# Altium PCB PCB_TEST.PcbDoc (part 5 of 6)
Units mil, origin at the board's own origin, x right, y up, seen from the top; angles counter-clockwise.
Board outline 6000 x 4000 mil, 2 copper layers (Top Layer, Bottom Layer); 1506 components, 800 nets, 4143 pads, 6 vias.
Unrouted connection lines stored in the file: 2993.
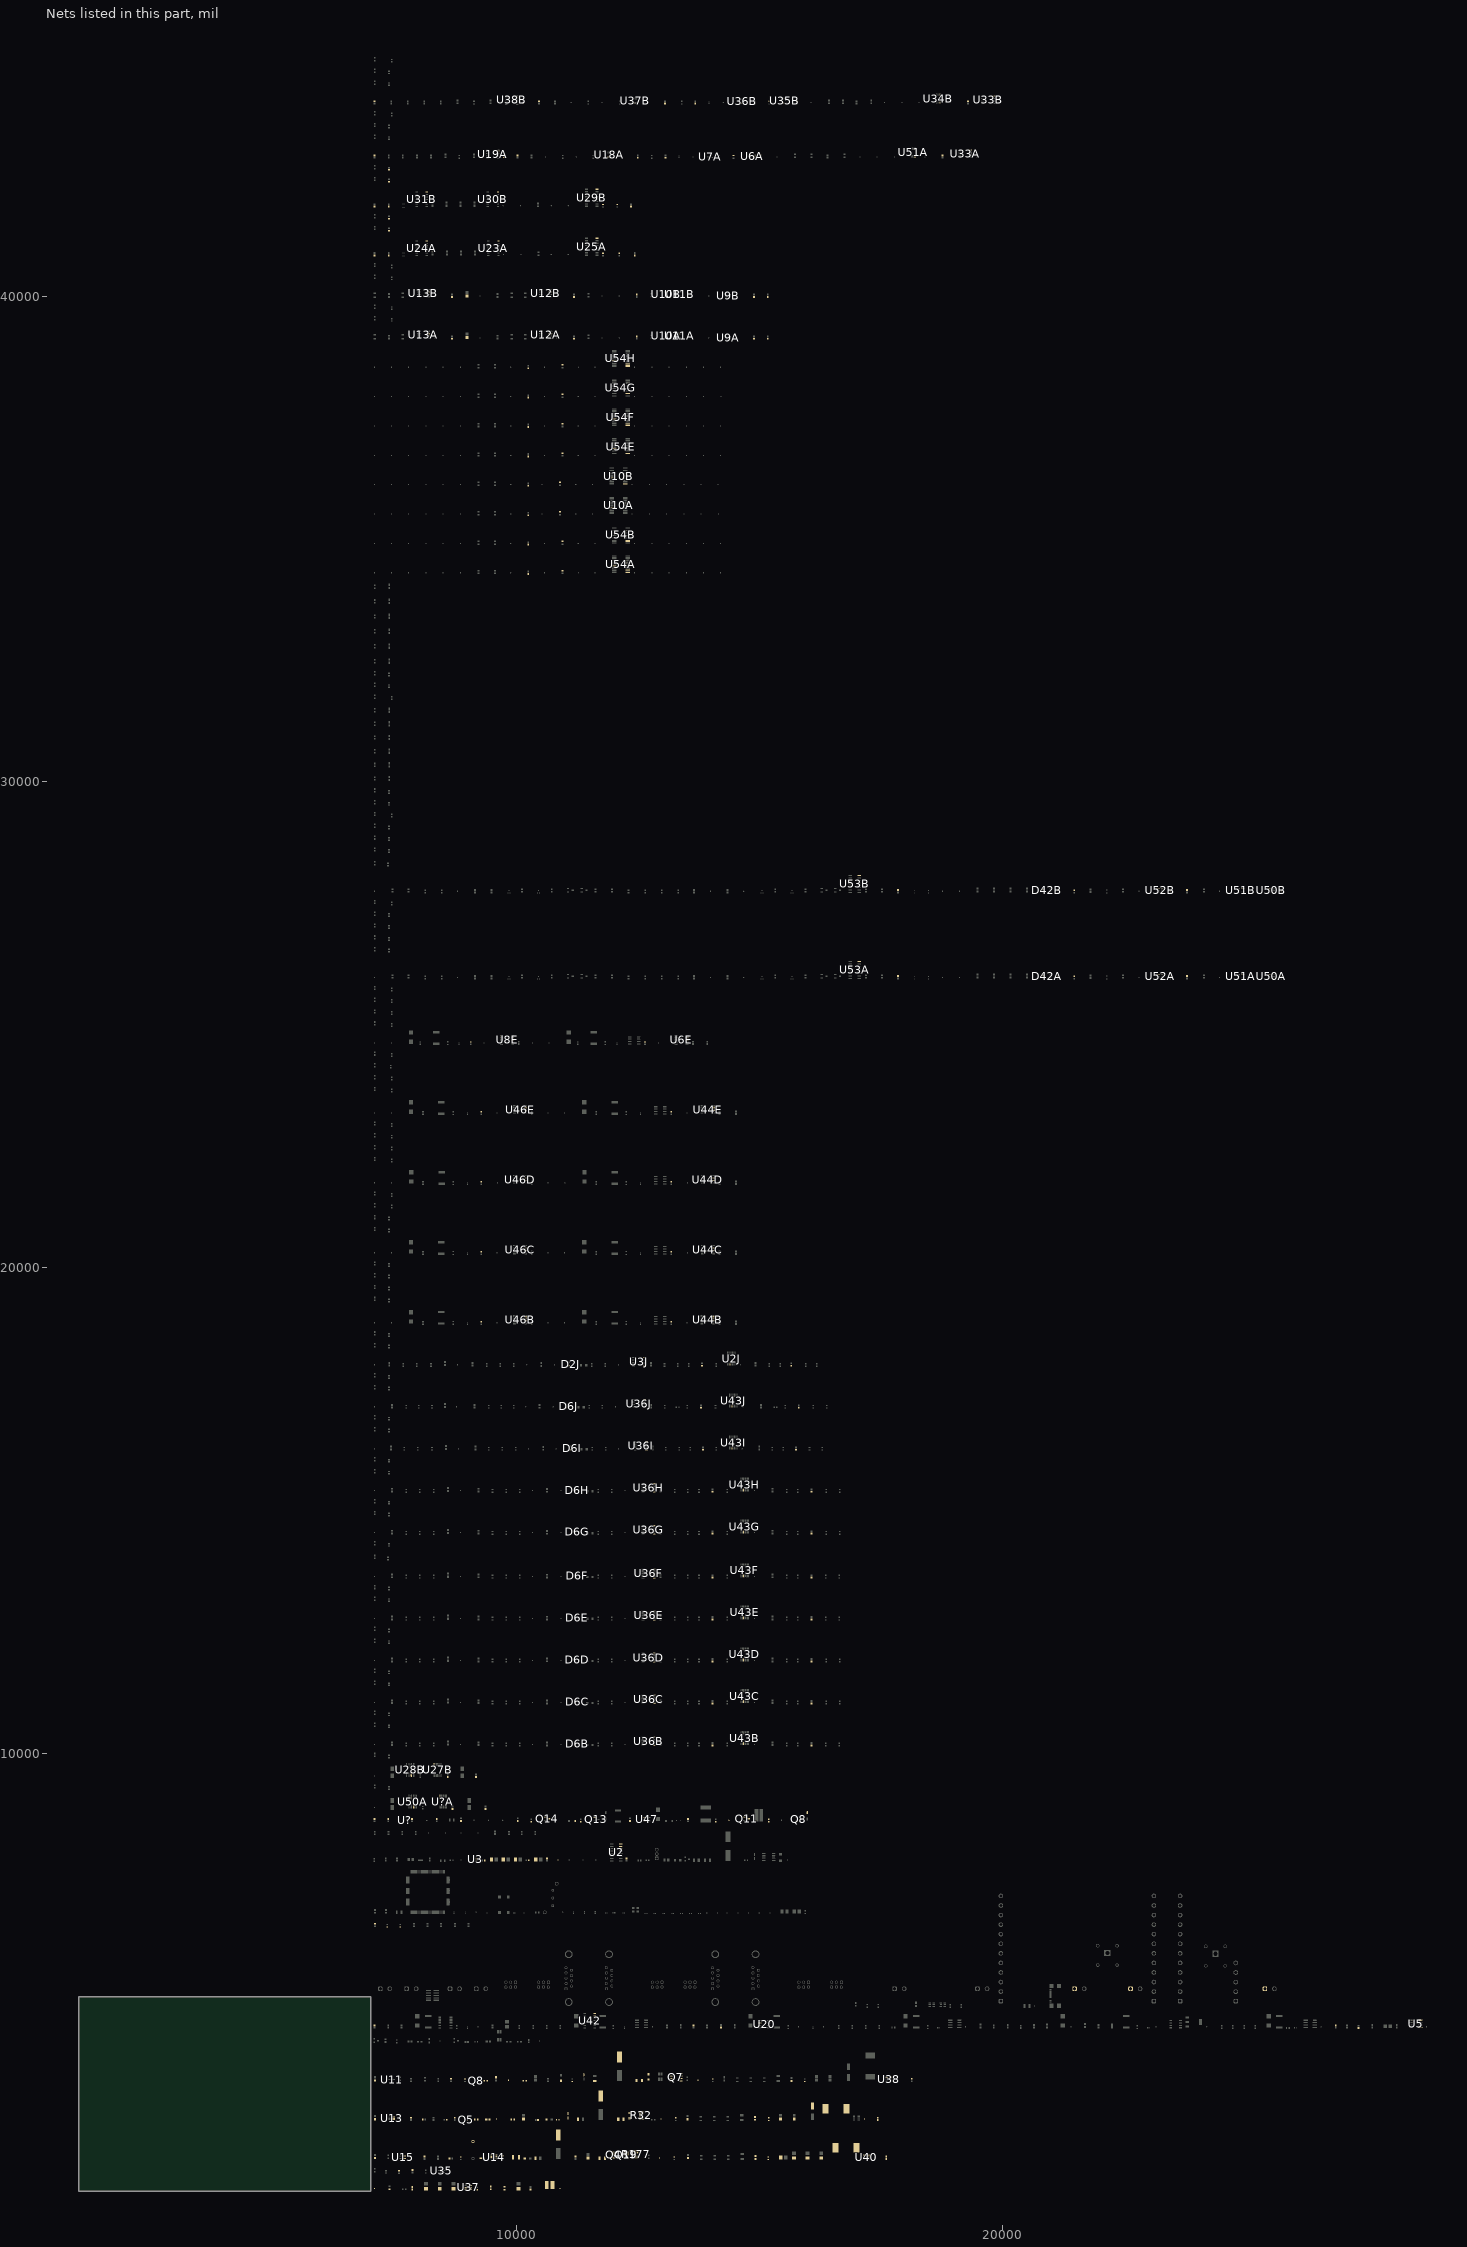
[diagram p5: the nets of this part, all layers, seen from the top]

## Part data (continued)
D46A D46AA D46AB D46AC D46AD D46AE D46AF D46AG D46AH D46AI D46AJ D46AK D46AL D46AM D46AN D46AO D46AP D46AQ D46AR D46AS D46AT D46AU D46AV D46AW D46B D46C D46D D46E D46F D46G D46H D46I D46J D46K D46L D46M D46N D46O D46P D46Q D46R D46S D46T D46U D46V D46W D46X D46Y D46Z: library part CMP-007-00037-1, "LED orange LED0603 wavelength 605nm light intensity 11~45mcd vertical sticker", Case Code (Imperial)=0603, Case Code (Metric)=1608, Color=Orange, Forward Current=30mA, Forward Voltage=2.3V, Illumination Color=Yellow, Lens Color="Clear, Colorless", Max Operating Temperature=85°C, Min Operating Temperature=-30°C, Power Dissipation=75mW, Reverse Voltage=5V, Test Current=5mA, Case/Package=0603, China RoHS=Compliant, Contact Plating=Tin, Depth=800µm, Dominant Wavelength=605nm, Harmonized Tariff Schedule (HTS) Code=8541.40.20.00, Height=350µm, Introduction Date=2010-10-11, Length=1.6mm, Lens Style="Colorless, Diffused, Rectangular", Lens Transparency=Clear, Lifecycle Status=Production, Luminous Intensity=28.1mcd, Mounting Technology="Surface Mount", Number of Circuits=1, Number of Elements=1, Number of LEDs=1, Number of Terminals=2, Packaging="Tape and Reel", Peak Wavelength=611nm, Pins=2, Power Rating=75mW, Radiation Hardening=No, REACH SVHC=Yes, RoHS=Compliant, Schedule B="8541402000, 8541402000", Shape=Rectangular, Terminal Pitch=1.5mm, Viewing Angle=130°, Wavelength=605nm, Width=800µm
D48A D48B D48C D48D D48E D48F: library part CMP-007-00039-1, "Single-color LEDs; LITEON; LTST-C193KRKT-5A; Red; 130 °; 2.3 V; 0603", Case Code (Imperial)=0603, Case Code (Metric)=1608, Color=Red, Forward Current=20mA, Forward Voltage=2.3V, Lens Color="Clear, Colorless", Max Operating Temperature=85°C, Min Operating Temperature=-30°C, Power Dissipation=50mW, Reverse Voltage=5V, Test Current=5mA, Case/Package=0603, China RoHS=Compliant, Country of Origin="Mainland China, Thailand", Depth=800µm, Dominant Wavelength=631nm, Export Control Classification Number (ECCN) Code=EAR99, Harmonized Tariff Schedule (HTS) Code=8541.40.20.00, Height=350µm, Illumination Color=Red, Introduction Date=2008-09-01, Lead Free="Lead Free", Length=1.6mm, Lens Style="Clear, Colorless, Diffused, Rectangular", Lens Transparency=Clear, Lifecycle Status=Production, Luminous Intensity=26.05mcd, Mounting Technology="Surface Mount", Number of Circuits=1, Number of Elements=1, Number of LEDs=1, Number of Terminals=2, Peak Wavelength=639nm, Pins=2, Radiation Hardening=No, REACH SVHC=Yes, RoHS=Compliant, Schedule B="8541402000, 8541402000", Shape=Rectangular, Terminal Pitch=1.5mm, Viewing Angle=130°, Wavelength=631nm, Width=800µm
D49A D49B D49C D49D D49E D49F: library part CMP-007-00045-1, "LED blue 0603 wavelength 465~475nm light intensity 15mcd Front Mounting", Case Code (Imperial)=0603, Case Code (Metric)=1608, Color=Blue, Forward Current=20mA, Forward Voltage=2.8V, Lens Color="Clear, Colorless", Max Operating Temperature=80°C, Min Operating Temperature=-20°C, Power Dissipation=76mW, Reverse Voltage=5V, Test Current=5mA, Case/Package=0603, China RoHS=Compliant, Contact Plating=Tin, Depth=800µm, Dominant Wavelength=475nm, Height=350µm, Illumination Color=Blue, Lead Free="Lead Free", Length=1.6mm, Lens Style="Clear, Colorless, Diffused, Rectangular", Lens Transparency=Clear, Lifecycle Status=Production, Luminous Intensity=15mcd, Mounting Technology="Surface Mount", Number of Circuits=1, Number of Elements=1, Number of LEDs=1, Number of Terminals=2, Peak Wavelength=468nm, Pins=2, Radiation Hardening=No, REACH SVHC=Yes, RoHS=Compliant, Schedule B="8541402000, 8541402000", Shape=Rectangular, Terminal Pitch=1.5mm, Viewing Angle=130°, Wavelength=470nm, Width=800µm
F2: library part CMP-005-00020-1, "Fuse Chip Fast Acting 2A 63V SMD Solder Pad 1206 T/R", Case/Package=1206, Current Rating=2A, Max Operating Temperature=105°C, Min Operating Temperature=-20°C, Mounting Technology="Surface Mount"
F2E F4E F7 F9 F11 F13 F15 F17 F19B F19C F19D F19E F21B F21C F21D F21E: library part CMP-04585-000002-1, "FUSE BOARD MOUNT 50MA 32VDC 0402", Fuse Current=50mA, Fuse Voltage Drop=250mV, Manufacturer="AVX Corporation", Package=F0402G, Resistance=3.4Ω, Temperature="-55°C to +125°C", Temperature Range High=+125°C, Temperature Range Low=-55°C, Voltage Rating=32V, Automotive=No, Category=Fuse, ComponentLink2Description=Datasheet, ComponentLink2URL=http://datasheets.avx.com/AccuGuardLC_0402.pdf, Device Class L1="Circuit Protection", Device Class L2=Fuses, Device Class L3=unset, Digikey Description="FUSE BOARD MOUNT 50MA 32VDC 0402", Fuse Blow Speed=Fast, Height=0.4mm, Lead Free=Yes, Manufacturer Part Number=F0402G0R05FNTR, Mouser Description="Surface Mount Fuses 0402 50mA fuse", Octopart=https://octopart.com/f0402g0r05fntr-avx-19631750, RoHS=TRUE
F3: library part CMP-005-00016-1, "Electric Fuse, Fast Blow, 1A, 63VAC, 63VDC, 50A (IR), Supplemental, Surface Mount, 1206", Case/Package=1206, Current Rating=1A, Max Operating Temperature=90°C, Min Operating Temperature=-55°C, Mounting Technology="Surface Mount"
F3E F5E F8 F10 F12 F14 F16 F18 F20B F20C F20D F20E F22B F22C F22D F22E: library part CMP-16043-000015-1, "PTC RESET FUSE 60V 10MA 0603"
F4 F5 F6: "Fuse", Manufacturer_Name=Bourns, Mouser Part Number=652-SF-1206FP150-2, Arrow Part Number=SF-1206FP150-2, Arrow Price/Stock=https://www.arrow.com/en/products/sf-1206fp150-2/bourns?utm_currency=USD&region=nac, Datasheet Link=https://www.arrow.com/en/products/sf-1206fp150-2/bourns, Height=0.7mm, Manufacturer_Part_Number=SF-1206FP150-2, Mouser Price/Stock=https://www.mouser.co.uk/ProductDetail/Bourns/SF-1206FP150-2?qs=YCa%2FAAYMW02QT85STQYHfQ%3D%3D
F23: "Fuse", Manufacturer_Name="Bel Circuit Protection", Datasheet Link=https://www.mouser.com.tr/datasheet/2/643/ds_CP_0ZAF_series-3368882.pdf, Height=2.6mm, Manufacturer_Part_Number=0ZAF0005FF28
FB1: library part CMP-006-00025-1, "Ferrite Beads Multi-Layer 120Ohm 25% 100MHz 500mA 250mOhm DCR 0402 Paper T/R", Case/Package=0402, Current Rating=500mA, Max Operating Temperature=125°C, Min Operating Temperature=-55°C, Tolerance=25%, Max Current Rating=500mA, Mounting Technology="Surface Mount"
J1 J2: "Connector", Manufacturer_Name="CLIFF ELECTRONIC COMPONENTS"
  J1: Datasheet Link=http://www.cliffuk.co.uk/products/testleads/sockets/S16NPC.pdf, Height=11.5mm, Manufacturer_Part_Number=FCR7350R
  J2: Datasheet Link=https://www.cliffuk.co.uk/products/testleads/sockets/S16NPC.pdf, Height=12.3mm, Manufacturer_Part_Number=FCR7350B
J3: library part CMP-002-00074-1, "USB Connector, 16 Contact(s), Male, Right Angle, Surface Mount Terminal, Locking, Receptacle", Contact Resistance=50mΩ, Dielectric Material=Polyethylene, Insulation Resistance=100MΩ, Max Operating Temperature=85°C, Min Operating Temperature=-40°C, Voltage Rating=20V, China RoHS=Compliant, Contact Gender=Male, Contact Material="Gold, Nickel", Country of Origin="Mainland China", Export Control Classification Number (ECCN) Code=EAR99, Gender=Receptacle, Harmonized Tariff Schedule (HTS) Code=8536.69.40.30, Height=3.46mm, Introduction Date=2021-04-15, Lifecycle Status=Production, Number of Contacts=16, Number of Ports=1, Number of Rows=1, Orientation=Horizontal, Pins=16, REACH SVHC=Yes, RoHS=Compliant, Shell Finish=Nickel, Shell Material="Stainless Steel", Terminal Pitch=500µm, USB Standard="USB 2.0"
J4 J5 J8 J20 J22 J24 J24 J25 J27: library part CMP-002-00093-1, "WR-TBL Terminal block - PCB Header - THT", Color=Green, Current=20A, Manufacturer Lifecycle Status=ACTIVE, Max Operating Temperature=105°C, Min Operating Temperature=-40°C, Voltage=300V, Connector Type="PCB, Terminal Block", Contact Material=Tin, Contact Plating=Tin, Current Rating=20A, Gender=Male, Height=8.7mm, Lead Pitch=5mm, Length=11.4mm, Lifecycle Status=Production, Mounting Technology="Through Hole", Number of Contacts=2, Number of Levels=1, Number of Positions Per Level=2, Number of Rows=1, Packaging=Box, Pins=2, Pitch=5mm, REACH SVHC=Unknown, RoHS=Compliant, Termination=Solder, Voltage Rating=300V, Width=12mm, YEOL="1 = Estimated lifetime > 10 years"
J6 J7 J9: library part CMP-002-00096-1, "Terminal Block, R/A Header, 12Pos, Th Rohs Compliant: Yes", Manufacturer Lifecycle Status=ACTIVE, Max Operating Temperature=105°C, Min Operating Temperature=-40°C, Contact Plating=Tin, Length=61.4mm, Lifecycle Status=Production, Packaging=Box, Pins=12, Pitch=5mm, RoHS=Compliant, YEOL="1 = Estimated lifetime > 10 years"
J10: library part CMP-002-00094-1, "Terminal Block, 5.00MM Pitch, Close Horizontal Pcb Header, 300VAC, 5 Pins", Color=Green, Current=20A, Manufacturer Lifecycle Status=ACTIVE, Max Operating Temperature=105°C, Min Operating Temperature=-40°C, Voltage=300V, Connector Type="PCB, Terminal Block", Contact Gender=Male, Contact Material=Brass, Contact Plating=Tin, Gender=Male, Height=12mm, Lead Pitch=5mm, Length=26.4mm, Lifecycle Status=Production, Mounting Technology="Through Hole", Number of Contacts=5, Number of Levels=1, Number of Positions Per Level=5, Number of Rows=1, Packaging=Box, Pins=5, Pitch=5mm, REACH SVHC=No, RoHS=Compliant, Termination=Solder, Width=27mm, YEOL="1 = Estimated lifetime > 10 years"
J11 J12 J20 J26: library part CMP-011-000000-1, "9 Position D-Sub Plug, Male Pins Connector", Package=None, Check_prices=https://www.snapeda.com/parts/A-DS%2009%20A/KG-T2S/Assmann+Electronics/view-part/?ref=eda, Component Type=Standard, Design Item ID=A-DS_09_A_KG-T2S, MF="Assmann WSW", MP="A-DS 09 A/KG-T2S", Pin Count=11, SnapEDA_Link=https://www.snapeda.com/parts/A-DS%2009%20A/KG-T2S/Assmann+Electronics/view-part/?ref=snap, Source=A-DS_09_A_KG-T2S.SchLib
J13: library part CMP-002-00092-1, "CONN, HEADER, 10POS, 2ROW, 1.27MM; Available until stocks are exhausted Alternative available", Current Rating=1A, Insulation Resistance=1GΩ, Manufacturer Lifecycle Status=ACTIVE, Max Operating Temperature=105°C, Min Operating Temperature=-40°C, Length=11.1mm, Lifecycle Status=Production, Pins=10, Pitch=1.27mm, RoHS=Compliant, YEOL="1 = Estimated lifetime > 10 years"
J14 J17 J18 J22 P3 P5: library part CMP-1502-00019-3, "Wr-bhd; 2.54MM Pitch 6 Way 2 Row Shrouded Right Angle Pcb Header, Surface Mount", Color=Black, Contact Resistance=20mΩ, Current Rating=3A, Insulation Resistance=1GΩ, Max Operating Temperature=105°C, Min Operating Temperature=-40°C, Operating Supply Voltage=250V, Connector Type="Male Pin", Contact Material=Copper, Contact Plating=Gold, Gender=Male, Insulation Material=PBT, Lead Pitch=2.54mm, Length=15.28mm, Mount="Through Hole", Number of Contacts=6, Number of Pins=6, Number of Positions=6, Number of Rows=2, Pitch=2.54mm, RoHS=Compliant, Row Spacing=2.54mm, Termination=Solder
L1: library part SRP1265A-330M, "Inductor", Manufacturer_Name=Bourns, Mouser Part Number=652-SRP1265A-330M, Arrow Part Number=SRP1265A-330M, Arrow Price/Stock=https://www.arrow.com/en/products/srp1265a-330m/bourns?utm_currency=USD&region=nac, Datasheet Link=http://www.bourns.com/docs/Product-Datasheets/SRP1265A.pdf, Manufacturer_Part_Number=SRP1265A-330M, Mouser Price/Stock=https://www.mouser.co.uk/ProductDetail/Bourns/SRP1265A-330M?qs=7z%252BmIopC6%2FLdNy531NHhxQ%3D%3D
L2 L3: library part CMP-006-00026-1, "Inductor Power Shielded Wirewound 22uH 20% 100KHz 20Q-Factor Carbonyl Powder 9A 0.037Ohm DCR Automotive T/R", Case/Package=Nonstandard, Current Rating=9A, Max Operating Temperature=150°C, Min Operating Temperature=-55°C, Self Resonant Frequency=6MHz, Tolerance=20%, Max Current Rating=9A, Mounting Technology="Surface Mount"
L4: "Inductor", Manufacturer_Name=TDK, Mouser Part Number=810-VLS4015CX-4R7M-H, Datasheet Link=https://product.tdk.com/system/files/dam/doc/product/inductor/inductor/smd/catalog/inductor_automotive_power_vls4015cx-h_en.pdf, Height=1.5mm, Manufacturer_Part_Number=VLS4015CX-4R7M-H, Mouser Price/Stock=https://www.mouser.co.uk/ProductDetail/TDK/VLS4015CX-4R7M-H?qs=Li%252BoUPsLEnsP0JLzqrKQYg%3D%3D
Q1 Q7: library part CMP-013-00038-1, "Dual P-Channel 60 V 0.12 Ohms Surface Mount Power Mosfet - SOIC-8", Case/Package=SO, Max Operating Temperature=175°C, Min Operating Temperature=-55°C, Mounting Technology="Surface Mount", Nominal Vgs=-3V, Pins=8
Q4 Q19: "MOSFET (N-Channel)", Manufacturer_Name="Diodes Incorporated", Mouser Part Number=621-DMT69M8LFV-7, Arrow Part Number=DMT69M8LFV-7, Arrow Price/Stock=https://www.arrow.com/en/products/dmt69m8lfv-7/diodes-incorporated, Datasheet Link=https://4donline.ihs.com/images/VipMasterIC/IC/DIOD/DIOD-S-A0005038932/DIOD-S-A0005038932-1.pdf?hkey=CECEF36DEECDED6468708AAF2E19C0C6, Manufacturer_Part_Number=DMT69M8LFV-7, Mouser Price/Stock=https://www.mouser.com/Search/Refine.aspx?Keyword=621-DMT69M8LFV-7
Q5 Q8 Q14A Q14B Q15A Q15B Q18A Q18B Q19A Q19B: library part CMP-013-00039-1, "on Semi MMBT3904TT1G NPN Bipolar Transistor, 0.2 A, 40 V, 3-PIN SOT-416", Case/Package=SOT-416, Frequency=300MHz, Max Operating Temperature=150°C, Min Operating Temperature=-55°C, Pins=3
Q8 Q13: library part CMP-12801-000062-2, "MOSFET P-CH 30V SOT23", Case/Package=SOT-23, Continuous Drain Current (ID)=3.8A, Drain to Source Resistance=65mR, Drain to Source Voltage (Vdss)=-30V, Gate to Source Voltage (Vgs)=20V, Input Capacitance=563pF, Max Operating Temperature=150°C, Max Power Dissipation=1.08W, Min Operating Temperature=-55°C, Package Quantity=3000, Threshold Voltage=-2.1V, Contact Plating=Tin, Element Configuration=Single, Fall Time=15ns, Height=1.1mm, Lead Free="Lead Free", Length=3mm, Mount="Surface Mount", Number Of Channels=1, Number of Pins=3, Packaging="Tape and Reel", Radiation Hardening=No, Rds On Max=65mR, REACH SVHC="No SVHC", Rise Time=5ns, Turn-Off Delay Time=31ns, Turn-On Delay Time=4.8ns, Weight=0.000282oz, Width=1.4mm
Q11 Q14: library part CMP-2000-04931-2, "TRANS NPN 40V 0.2A SMD SOT23-3", Case/Package=SOT-23, Collector Base Voltage (VCBO)=60V, Collector Emitter Breakdown Voltage=40V, Collector Emitter Saturation Voltage=300mV, Continuous Collector Current=200mA, Emitter Base Voltage (VEBO)=6V, Frequency=300MHz, Max Operating Temperature=150°C, Max Power Dissipation=300mW, Min Operating Temperature=-55°C, Package Quantity=3000, Power Dissipation=350mW, Collector Emitter Voltage (VCEO)=40V, Contact Plating=Tin, Element Configuration=Single, Gain Bandwidth Product=300MHz, Height=1mm, hFE Min=100, Lead Free="Lead Free", Length=3.05mm, Max Breakdown Voltage=40V, Max Collector Current=200mA, Max Frequency=300MHz, Mount="Surface Mount", Number of Elements=1, Number of Pins=3, Packaging="Tape and Reel", Polarity=NPN, Radiation Hardening=No, REACH SVHC="No SVHC", Transition Frequency=300MHz, Voltage Rating (DC)=40V, Weight=0.000282oz, Width=1.4mm
Q12: library part CMP-1149-00046-1, "OptiMOS 2 Small-Signal-Transistor, 30 V VDS, 1.4 A ID, PG-SOT-363, Reel, Green", Manufacturer=Infineon, ComponentLink1Description="Manufacturer URL", ComponentLink1URL=http://www.infineon.com/, ComponentLink2Description=Datasheet, ComponentLink2URL=http://www.infineon.com/dgdl/BSD316SN_Rev2.3.pdf?folderId=db3a3043156fd573011622e10b5c1f67&fileId=db3a30431add1d95011afc90c46a0521, ComponentLink3Description="Package Specification", ComponentLink3URL=http://www.infineon.com/dgdl/SOT363-Package_Overview.pdf?folderId=db3a30431936bc4b01195360bd8f3cdc&fileId=db3a30431936bc4b0119536b62bf3cf5, DatasheetVersion="Rev. 2.4", Green=TRUE, Halogen-free=TRUE, ID (max)="1.4Â A", Mounting Technology="Surface Mount", PackageDescription="6-Pin Small Outline Transistor Package, 2 x 1.25 mm Body, 0.65 mm Pitch", PackageReference=PG-SOT-363, PackageVersion=Apr-08, Packing=Reel, PartNumber=BSD316SN, Polarity=N, RDS (on) (max)="160 mOhm", RevisionNote="Re-Activated Devices", VDS (max)="30 V"
Q12A Q12B Q13A Q13B Q16A Q16B Q17A Q17B: "MOSFET (P-Channel)", Manufacturer_Name="Alpha & Omega Semiconductors", Arrow Part Number=AO3401A, Arrow Price/Stock=https://www.arrow.com/en/products/ao3401a/alpha-and-omega-semiconductor?utm_currency=USD&region=nac, Datasheet Link=http://www.aosmd.com/pdfs/datasheet/AO3401A.pdf, Height=1.25mm, Manufacturer_Part_Number=AO3401A
R1 R2: library part CMP-009-00197-1, "Zero Ohm Resistor, Jumper, 0402 [1005 Metric], Thin Film, 100 mW, 630 mA, Surface Mount Device", Case/Package=0402, Max Operating Temperature=125°C, Min Operating Temperature=-55°C, Voltage Rating=50V, Mounting Technology="Surface Mount"
R3 R7 R9 R33 R36 R38A R38B R39 R39A R39B R42 R50 R52 R56A R87B R91A R92B R93B R94B R100B R106A R106B R107A R107B R108A R108B R111 R114 R162A R162B R163A R163B R164 R167 R168 R170A R170B R171A R171A R171B R172A R173A R176 R176A R176B R176E R176F R176G R176H R177A R177B R177E R177F R177G R177H R178A R178B R178E R178F R178G R178H: library part CMP-009-00017-5, "Chip Resistor, 10 KOhm, +/- 1%, 01 W, -55 to 155 degC, 0603 (1608 Metric)", Case/Package=0603, Max Operating Temperature=155°C, Min Operating Temperature=-55°C, Power=100mW, Tolerance=1%, Voltage Rating=50V, Mounting Technology=SM, Pins=2, RoHS Compliant=True
R4 R6 R20 R37 R38 R41 R51 R85B R86B R95B R111 R116A R117A R174A: library part CMP-009-00280-1, "Res, 100K, 1%, 0.2W, Thick Film, 0603 Rohs Compliant: Yes", Case/Package=0603, Max Operating Temperature=155°C, Min Operating Temperature=-55°C, Tolerance=1%, Voltage Rating=75V, Mounting Technology="Surface Mount"
R4J R57B R57C R57D R57E R57F R57G R57H R57I R57J: library part CMP-009-00251-1, "100mW Thin Film Resistor ±50ppm/℃ ±0.1% 300kΩ 0603 Chip Resistor - Surface Mount ROHS", Case Code (Metric)=0603, Max Operating Temperature=155°C, Max Power Dissipation=100mW, Min Operating Temperature=-55°C, Temperature Coefficient=50ppm/°C, Tolerance=0.1%, Voltage Rating=75V, Voltage Rating (DC)=50V, Case/Package=0603, China RoHS=Non-Compliant, Composition="Thin Film", Contact Plating=Tin, Country of Origin="Mainland China, Taiwan", Export Control Classification Number (ECCN) Code=EAR99, Harmonized Tariff Schedule (HTS) Code=8533.21.00.30, Height=450µm, Introduction Date=2008-07-11, Lead Free="Lead Free", Length=1.6mm, Lifecycle Status=Production, Mounting Technology="Surface Mount", Number of Terminals=2, Number of Terminations=2, Packaging="Tape & Reel (TR)", Power Dissipation=100mW, Power Rating=100mW, Radiation Hardening=No, REACH SVHC=Yes, RoHS=Compliant, Width=800µm, Working Voltage=75V
R5: library part CMP-009-00177-1, "Resistor, Thick Film Chip; 100 Ohms; Case 0805; 0.125W; +/-5%; SMD; 200ppm/K; 150V; 200V", Case/Package=0805, Max Operating Temperature=155°C, Min Operating Temperature=-55°C, Tolerance=5%, Voltage Rating=150V, Mounting Technology="Surface Mount", Pins=2
R5J R61B R61C R61D R61E R61F R61G R61H R61I R61J: library part CMP-009-00288-1, "Res Thin Film 0603 240K Ohm 0.1% 0.1W(1/10W) ±25ppm/C Pad SMD T/R", Case Code (Imperial)=0603, Max Operating Temperature=155°C, Max Power Dissipation=100mW, Min Operating Temperature=-55°C, Temperature Coefficient=25ppm/°C, Tolerance=0.1%, Voltage Rating=75V, Voltage Rating (DC)=50V, Case/Package=0603, China RoHS=Non-Compliant, Composition="Thin Film", Contact Plating=Tin, Country of Origin="Mainland China, Taiwan", Export Control Classification Number (ECCN) Code=EAR99, Features="Moisture Resistant", Harmonized Tariff Schedule (HTS) Code=8533.21.00.30, Height=450µm, Introduction Date=2008-06-09, Lead Free="Lead Free", Length=1.6mm, Lifecycle Status=Production, Mounting Technology="Surface Mount", Number of Terminals=2, Number of Terminations=2, Power Rating=100mW, Radiation Hardening=No, REACH SVHC=Yes, RoHS=Compliant, Schedule B="8533210045, 8533210045", Termination=SMD/SMT, Width=800µm, Working Voltage=75V
R6J R63B R63C R63D R63E R63F R63G R63H R63I R63J: library part CMP-009-00287-1, "100mW Thin Film Resistor 75V ±25ppm/℃ ±0.1% 9.1kΩ 0603 Chip Resistor - Surface Mount ROHS", Case Code (Imperial)=0603, Max Operating Temperature=155°C, Max Power Dissipation=100mW, Min Operating Temperature=-55°C, Temperature Coefficient=25ppm/°C, Tolerance=0.1%, Voltage Rating=75V, Voltage Rating (DC)=50V, Case/Package=0603, China RoHS=Non-Compliant, Composition="Thin Film", Contact Plating=Tin, Country of Origin="Mainland China, Taiwan", Depth=800µm, Export Control Classification Number (ECCN) Code=EAR99, Features="Moisture Resistant", Harmonized Tariff Schedule (HTS) Code=8533.21.00.30, Height=450µm, Introduction Date=2008-07-11, Lead Free="Lead Free", Length=1.6mm, Lifecycle Status=Production, Military Standard=Not, Mounting Technology="Surface Mount", Number of Terminals=2, Number of Terminations=2, Power Rating=100mW, Radiation Hardening=No, REACH SVHC=Yes, RoHS=Compliant, Schedule B="8533210045, 8533210045", Termination=SMD/SMT, Weight=2.012816mg, Width=800µm, Working Voltage=75V
R7A R7B R7C R7D R7E R7F R7G R7H R7I R7J R9A R9B R9C R9D R9E R9F R9G R9H R9I R9J R11A R11B R11C R11D R11E R11F R11G R11H R11I R11J R13A R13B R13C R13D R13E R13F R13G R13H R13I R13J R15A R15B R15C R15D R15E R15F R15G R15H R15I R15J R17A R17B R17C R17D R17E R17F R17G R17H R17I R17J R19A R19B R19C R19D R19E R19F R19G R19H R19I R19J R21A R21B R21C R21D R21E R21F R21G R21H R21I R21J R25 R26 R129 R142 R145 R146 R166A R166B R167A R167B: library part CMP-009-00273-1, "100mW Thin Film Resistor 75V ±50ppm/℃ ±0.1% 10kΩ 0603 Chip Resistor - Surface Mount ROHS", Case Code (Imperial)=0603, Max Operating Temperature=155°C, Max Power Dissipation=100mW, Min Operating Temperature=-55°C, Temperature Coefficient=50ppm/°C, Tolerance=0.1%, Voltage Rating=75V, Voltage Rating (DC)=50V, Case/Package=0603, China RoHS=Non-Compliant, Composition="Thin Film", Contact Plating=Tin, Country of Origin="Mainland China, Taiwan", Depth=800µm, Export Control Classification Number (ECCN) Code=EAR99, Features="Moisture Resistant", Harmonized Tariff Schedule (HTS) Code=8533.21.00.30, Height=450µm, Introduction Date=2008-07-11, Lead Free="Lead Free", Length=1.6mm, Lifecycle Status=Production, Military Standard=Not, Mounting Technology="Surface Mount", Number of Terminals=2, Number of Terminations=2, Packaging="Tape & Reel (TR)", Power Rating=100mW, Radiation Hardening=No, REACH SVHC=Yes, RoHS=Compliant, Schedule B="8533210045, 8533210045", Width=800µm, Working Voltage=75V
R8: library part CMP-009-00203-1, "Res Thick Film 0603 16.2K Ohm 1% 0.1W(1/10W) ±100ppm/°C Pad SMD T/R Automotive AEC-Q200", Case/Package=0603, Max Operating Temperature=155°C, Min Operating Temperature=-55°C, Tolerance=1%, Voltage Rating=75V, Mounting Technology="Surface Mount", Pins=2
R8J R10J R65B R65C R65D R65E R65F R65G R65H R65I R65J R66B R66C R66D R66E R66F R66G R66H R66I R66J: library part CMP-009-00289-1, "100mW Thin Film Resistor ±25ppm/℃ ±0.1% 180kΩ 0603 Chip Resistor - Surface Mount ROHS", Case Code (Imperial)=0603, Max Operating Temperature=155°C, Max Power Dissipation=100mW, Min Operating Temperature=-55°C, Temperature Coefficient=25ppm/°C, Tolerance=0.1%, Voltage Rating=75V, Voltage Rating (DC)=50V, Case/Package=0603, China RoHS=Non-Compliant, Composition="Thin Film", Contact Plating=Tin, Country of Origin="Mainland China, Taiwan", Depth=800µm, Export Control Classification Number (ECCN) Code=EAR99, Features="Moisture Resistant", Harmonized Tariff Schedule (HTS) Code=8533.21.00.30, Height=450µm, Introduction Date=2008-06-09, Lead Free="Lead Free", Length=1.6mm, Lifecycle Status=Production, Military Standard=Not, Mounting Technology="Surface Mount", Number of Terminals=2, Number of Terminations=2, Power Rating=100mW, Radiation Hardening=No, REACH SVHC=Yes, RoHS=Compliant, Schedule B="8533210045, 8533210045", Termination=SMD/SMT, Weight=2.012816mg, Width=800µm, Working Voltage=75V
R10 R29 R30: library part CMP-009-00198-1, "Fixed Resistor, Metal Glaze/thick Film, 0.1W, 5100ohm, 75V, 1% +/-Tol, 100ppm/Cel, Surface Mount, 0603", Case/Package=0603, Max Operating Temperature=155°C, Min Operating Temperature=-55°C, Tolerance=1%, Voltage Rating=75V, Mounting Technology="Surface Mount"
R11: library part CMP-009-00201-1, "125mW Thin Film Resistor 150V ±25ppm/℃ ±0.1% 150kΩ 0805 Chip Resistor - Surface Mount ROHS", Case/Package=0805, Max Operating Temperature=155°C, Min Operating Temperature=-55°C, Tolerance=0.1%, Voltage Rating=150V, Mounting Technology="Surface Mount"
R12: library part CMP-009-00204-1, "Res Thin Film 0603 44.2K Ohm 1% 0.125W(1/8W) ±100ppm/C Sulfur Resistant Pad SMD T/R", Case/Package=0603, Max Operating Temperature=155°C, Min Operating Temperature=-55°C, Tolerance=1%, Voltage Rating=150V, Mounting Technology="Surface Mount"
R12J R68B R68C R68D R68E R68F R68G R68H R68I R68J: library part CMP-009-00290-1, "100mW Thin Film Resistor 75V ±25ppm/℃ ±0.1% 90.9kΩ 0603 Chip Resistor - Surface Mount ROHS", Case Code (Imperial)=0603, Max Operating Temperature=155°C, Max Power Dissipation=100mW, Min Operating Temperature=-55°C, Temperature Coefficient=25ppm/°C, Tolerance=0.1%, Voltage Rating=75V, Voltage Rating (DC)=50V, Case/Package=0603, China RoHS=Non-Compliant, Composition="Thin Film", Contact Plating=Tin, Country of Origin="Mainland China, Taiwan", Depth=800µm, Export Control Classification Number (ECCN) Code=EAR99, Features="Moisture Resistant", Harmonized Tariff Schedule (HTS) Code=8533.21.00.30, Height=450µm, Introduction Date=2008-06-09, Lead Free="Lead Free", Length=1.6mm, Lifecycle Status=Production, Military Standard=Not, Mounting Technology="Surface Mount", Number of Terminals=2, Number of Terminations=2, Power Rating=100mW, Radiation Hardening=No, REACH SVHC=Yes, RoHS=Compliant, Schedule B="8533210045, 8533210045", Termination=SMD/SMT, Width=800µm, Working Voltage=75V
R13: library part CMP-009-00200-1, "Fixed Resistor, Thin Film, 0.25W, 10000ohm, 150V, 0.1% +/-Tol, 25ppm/Cel, Surface Mount, 0805", Case/Package=0805, Max Operating Temperature=155°C, Min Operating Temperature=-55°C, Tolerance=0.1%, Voltage Rating=150V, Mounting Technology="Surface Mount"
R14 R16 R19 R54: library part CMP-009-00254-1, "Res Thin Film 0603 100K Ohm 0.1% 1/16W ±25ppm/°C Molded SMD SMD Paper T/R", Case/Package=0603, Max Operating Temperature=155°C, Min Operating Temperature=-55°C, Tolerance=0.1%, Voltage Rating=50V, Mounting Technology="Surface Mount"
R14J R69B R69C R69D R69E R69F R69G R69H R69I R69J: library part CMP-009-00286-1, "Fixed Resistor, Thin Film, 0.1W, 39200ohm, 75V, 0.1% +/-Tol, 25ppm/Cel, Surface Mount, 0603", Case Code (Imperial)=0603, Case Code (Metric)=1608, Max Operating Temperature=125°C, Max Power Dissipation=100mW, Min Operating Temperature=-55°C, Ratings=AEC-Q200, Temperature Coefficient=25ppm/°C, Tolerance=0.1%, Voltage Rating=75V, Voltage Rating (DC)=50V, Case/Package=0603, China RoHS=Compliant, Composition="Thin Film", Contact Plating=Tin, Depth=850µm, Export Control Classification Number (ECCN) Code=EAR99, Features="Automotive AEC-Q200", Harmonized Tariff Schedule (HTS) Code=8533.21.00.30, Height=450µm, Lead Free="Lead Free", Length=1.55mm, Lifecycle Status=Production, Military Standard=Not, Mounting Technology="Surface Mount", Number of Terminals=2, Number of Terminations=2, Packaging="Tape & Reel", Power Rating=100mW, Radiation Hardening=No, REACH SVHC=Yes, RoHS=Compliant, Schedule B="8533210045, 8533210045", Termination=SMD/SMT, Width=850µm, Working Voltage=75V
R15 R18: library part CMP-009-00215-1, "Res Thin Film 0603 100 Ohm 1% 0.1W(1/10W) ±50ppm/C Pad SMD Automotive Medical T/R", Case/Package=0603, Max Operating Temperature=125°C, Min Operating Temperature=-55°C, Tolerance=1%, Voltage Rating=75V, Mounting Technology="Surface Mount"
R16A R16B R16C R16D R16E R16F R16G R16H R16I R16J R71: library part CMP-009-00295-1, "100mW Thin Film Resistor 75V ±25ppm/℃ ±0.1% 200kΩ 0603 Chip Resistor - Surface Mount ROHS", Case Code (Imperial)=0603, Max Operating Temperature=155°C, Max Power Dissipation=100mW, Min Operating Temperature=-55°C, Temperature Coefficient=25ppm/°C, Tolerance=0.1%, Voltage Rating=75V, Voltage Rating (DC)=50V, Case/Package=0603, China RoHS=Non-Compliant, Composition="Thin Film", Contact Plating=Tin, Country of Origin="Mainland China, Taiwan", Depth=800µm, Export Control Classification Number (ECCN) Code=EAR99, Features="Moisture Resistant", Harmonized Tariff Schedule (HTS) Code=8533.21.00.30, Height=450µm, Introduction Date=2008-06-09, Lead Free="Lead Free", Length=1.6mm, Lifecycle Status=Production, Military Standard=Not, Mounting Technology="Surface Mount", Number of Terminals=2, Number of Terminations=2, Power Rating=100mW, Radiation Hardening=No, REACH SVHC=Yes, RoHS=Compliant, Schedule B="8533210045, 8533210045", Termination=SMD/SMT, Width=800µm, Working Voltage=75V
R17 R55: library part CMP-009-00255-1, "100mW Thin Film Resistor ±25ppm/℃ ±0.1% 11.8kΩ 0603 Chip Resistor - Surface Mount ROHS", Case/Package=0603, Max Operating Temperature=155°C, Min Operating Temperature=-55°C, Tolerance=0.1%, Voltage Rating=75V, Mounting Technology="Surface Mount"
R18A R18B R18C R18D R18E R18F R18G R18H R18I R18J: library part CMP-009-00298-1, "Res Thin Film 0603 24K Ohm 0.1% 1/8W ±25ppm/°C Molded SMD SMD Paper T/R", Case Code (Imperial)=0603, Case Code (Metric)=1608, Max Operating Temperature=125°C, Max Power Dissipation=100mW, Min Operating Temperature=-55°C, Ratings=AEC-Q200, Temperature Coefficient=25ppm/°C, Tolerance=0.1%, Voltage Rating=75V, Voltage Rating (DC)=50V, Case/Package=0603, China RoHS=Compliant, Composition="Thin Film", Contact Plating=Tin, Country of Origin="Germany, Israel", Depth=850µm, Export Control Classification Number (ECCN) Code=EAR99, Features="Anti-Sulfur, Automotive AEC-Q200, Moisture Resistant", Harmonized Tariff Schedule (HTS) Code=8533.21.00.30, Height=450µm, Introduction Date=2006-07-14, Lead Free="Lead Free", Length=1.55mm, Lifecycle Status=Production, Military Standard=Not, Mounting Technology="Surface Mount", Number of Terminals=2, Number of Terminations=2, Packaging="Tape & Reel", Pins=2, Power Rating=100mW, Radiation Hardening=No, REACH SVHC=Yes, RoHS=Compliant, Schedule B="8533210045, 8533210045", Termination=SMD/SMT, Weight=2.012816mg, Width=850µm, Working Voltage=75V
R20A R20B R20C R20D R20E R20F R20G R20H R20I R20J: library part CMP-009-00297-1, "Res Thin Film 0603 160K Ohm 0.1% 0.1W(1/10W) ±25ppm/C Pad SMD T/R", Case Code (Imperial)=0603, Max Operating Temperature=155°C, Max Power Dissipation=100mW, Min Operating Temperature=-55°C, Temperature Coefficient=25ppm/°C, Tolerance=0.1%, Voltage Rating=75V, Voltage Rating (DC)=50V, Case/Package=0603, China RoHS=Non-Compliant, Composition="Thin Film", Contact Plating=Tin, Depth=800µm, Features="Moisture Resistant", Height=450µm, Lead Free="Lead Free", Length=1.6mm, Lifecycle Status=Production, Military Standard=Not, Mounting Technology="Surface Mount", Number of Terminals=2, Number of Terminations=2, Power Rating=100mW, Radiation Hardening=No, REACH SVHC=Yes, RoHS=Compliant, Schedule B="8533210045, 8533210045", Termination=SMD/SMT, Weight=2.012816mg, Width=800µm, Working Voltage=75V
R21 R33A R33B R33C R33D R33E R36A R36B R36C R36D R36E R102 R103 R104 R105 R153: library part CMP-009-00291-1, "Res Thick Film 2512 10 Ohm 1% 1W ±400ppm/°C Pad SMD T/R Automotive AEC-Q200", Case/Package=2512, Manufacturer Lifecycle Status=ACTIVE, Max Operating Temperature=155°C, Min Operating Temperature=-55°C, Operating Supply Voltage=200V, Power Rating=1W, Ratings=AEC-Q200, Temperature Coefficient=400ppm/°C, Tolerance=1%, China RoHS=Non-Compliant, Composition="Thick Film", Export Control Classification Number (ECCN) Code=EAR99, Harmonized Tariff Schedule (HTS) Code=8533.21.00.30, Height=550µm, Introduction Date=2019-08-26, Length=6.35mm, Lifecycle Status=Production, Mounting Technology="Surface Mount", Number of Terminals=2, Packaging="Cut Tape", REACH SVHC=Yes, RoHS=Compliant, Schedule B="8533210025, 8533210025", Voltage Rating=200V, Voltage Rating (DC)=200V, Width=3.2mm, Working Voltage=200V
R22A R27A R28A R96B R97B R99B: library part CMP-009-00258-1, "Res Thick Film 0603 33 Ohm 1% 0.1W(1/10W) ±100ppm/C Pad SMD T/R Automotive AEC-Q200", Case Code (Imperial)=0603, Case Code (Metric)=1608, Max Operating Temperature=155°C, Max Power Dissipation=100mW, Min Operating Temperature=-55°C, Ratings=AEC-Q200, Temperature Coefficient=100ppm/°C, Tolerance=1%, Voltage Rating=75V, Case/Package=0603, China RoHS=Non-Compliant, Composition="Thick Film", Country of Origin="Mainland China, Taiwan", Export Control Classification Number (ECCN) Code=EAR99, Features="Automotive AEC-Q200, Moisture Resistant", Harmonized Tariff Schedule (HTS) Code=8533.21.00.30, Height=450µm, Introduction Date=2012-04-10, Length=1.6mm, Lifecycle Status=Production, Mounting Technology="Surface Mount", Number of Terminals=2, Number of Terminations=2, Packaging="Tape & Reel", Power Dissipation=100mW, Power Rating=100mW, REACH SVHC=Yes, RoHS=Compliant, Schedule B="8533210045, 8533210045", Termination=SMD/SMT, Width=800µm, Working Voltage=75V
R23 R24 R126 R128 R143 R144: library part CMP-009-00272-1, "100mW Thin Film Resistor ±50ppm/℃ ±0.1% 30kΩ 0603 Chip Resistor - Surface Mount ROHS", Case Code (Metric)=0603, Max Operating Temperature=155°C, Max Power Dissipation=100mW, Min Operating Temperature=-55°C, Temperature Coefficient=50ppm/°C, Tolerance=0.1%, Voltage Rating=75V, Voltage Rating (DC)=50V, Case/Package=0603, China RoHS=Non-Compliant, Composition="Thin Film", Country of Origin="Mainland China, Taiwan", Depth=800µm, Export Control Classification Number (ECCN) Code=EAR99, Harmonized Tariff Schedule (HTS) Code=8533.21.00.30, Height=450µm, Introduction Date=2008-07-11, Lead Free="Lead Free", Length=1.6mm, Lifecycle Status=Production, Military Standard=Not, Mounting Technology="Surface Mount", Number of Terminals=2, Number of Terminations=2, Packaging="Tape & Reel (TR)", Power Rating=100mW, REACH SVHC=Yes, RoHS=Compliant, Width=800µm, Working Voltage=75V
R31 R32 R177: library part CMP-009-00205-1, "Fixed Resistor, Metal Glaze/thick Film, 0.5W, 0.02ohm, 0.1V, 0.5% +/-Tol, Surface Mount, 1206", Case/Package=1206, Max Operating Temperature=155°C, Min Operating Temperature=-55°C, Tolerance=0.5%, Mounting Technology="Surface Mount"
R32E R34E R35E R37E R154B R154C R154D R154E R156B R156C R156D R156E R157B R157C R157D R157E R159B R159C R159D R159E: library part CMP-02407-001600-1, "RES SMD 100 OHM 1% 1/8W 0603", Case/Package=0603, Max Operating Temperature=125°C, Max Power Dissipation=100mW, Min Operating Temperature=-55°C, Resistance=10kR, Temperature Coefficient=50ppm/°C, Tolerance=1%, Composition="Thin Film", Depth=0.85mm, Height=0.022inch, Lead Free="Lead Free", Length=0.061inch, Military Standard=Not, Number of Terminations=2, Packaging="Tape and Reel", Width=0.033inch
R34 R40 R175: library part CMP-009-00207-1, "Res Thick Film 0603 150K Ohm 1% 0.1W(1/10W) ±100ppm/C Pad SMD Automotive T/R", Case/Package=0603, Max Operating Temperature=155°C, Min Operating Temperature=-55°C, Tolerance=1%, Voltage Rating=75V, Mounting Technology="Surface Mount"
R35 R93: library part CMP-009-00282-1, "Res Thick Film 0603 3.48K Ohm 1% 0.1W(1/10W) ±100ppm/C Pad SMD T/R Automotive AEC-Q200", Case/Package=0603, Max Operating Temperature=155°C, Min Operating Temperature=-55°C, Tolerance=1%, Voltage Rating=75V, Mounting Technology="Surface Mount"
R40A R40B R41A R41B R42A R42B: library part CMP-009-00275-1, "125mW Thin Film Resistor 150V ±25ppm/℃ ±0.1% 10kΩ 0805 Chip Resistor - Surface Mount ROHS", Case Code (Imperial)=0805, Manufacturer Package Identifier="0805 (2012 metric)", Max Operating Temperature=155°C, Max Power Dissipation=125mW, Min Operating Temperature=-55°C, Temperature Coefficient=25ppm/°C, Tolerance=0.1%, Voltage Rating=150V, Case/Package=0805, China RoHS=Non-Compliant, Composition="Thin Film", Country of Origin="Mainland China, Taiwan", Depth=1.25mm, Export Control Classification Number (ECCN) Code=EAR99, Features="Moisture Resistant", Harmonized Tariff Schedule (HTS) Code=8533.21.00.30, Height=500µm, Introduction Date=2008-06-09, Lead Free="Lead Free", Length=2mm, Lifecycle Status=Production, Military Standard=Not, Mounting Technology="Surface Mount", Number of Terminals=2, Number of Terminations=2, Power Rating=125mW, REACH SVHC=Yes, RoHS=Compliant, Schedule B="8533210045, 8533210045", Termination=SMD/SMT, Voltage Rating (DC)=150V, Weight=5.499807mg, Width=1.25mm, Working Voltage=150V
R43: library part CMP-009-00212-1, "Res Thin Film 0603 1M Ohm 0.1% 0.1W(1/10W) ±25ppm/C Sulfur Resistant Pad SMD Automotive T/R", Case/Package=0603, Max Operating Temperature=155°C, Min Operating Temperature=-55°C, Tolerance=0.1%, Voltage Rating=75V, Mounting Technology="Surface Mount"
R43A R43B: library part CMP-009-00276-1, "125mW Thin Film Resistor 150V ±25ppm/℃ ±0.1% 1.5kΩ 0805 Chip Resistor - Surface Mount ROHS", Case Code (Imperial)=0805, Manufacturer Package Identifier="0805 (2012 metric)", Max Operating Temperature=155°C, Max Power Dissipation=125mW, Min Operating Temperature=-55°C, Temperature Coefficient=25ppm/°C, Tolerance=0.1%, Voltage Rating=150V, Case/Package=0805, China RoHS=Non-Compliant, Composition="Thin Film", Depth=1.25mm, Features="Moisture Resistant", Height=500µm, Lead Free="Lead Free", Length=2mm, Lifecycle Status=Production, Military Standard=Not, Mounting Technology="Surface Mount", Number of Terminals=2, Number of Terminations=2, Power Rating=125mW, REACH SVHC=Yes, RoHS=Compliant, Schedule B="8533210045, 8533210045", Termination=SMD/SMT, Voltage Rating (DC)=150V, Width=1.25mm, Working Voltage=150V
R44: library part CMP-009-00217-1, "100mW Thin Film Resistor 75V ±50ppm/℃ ±0.1% 100kΩ 0603 Chip Resistor - Surface Mount ROHS", Case/Package=0603, Max Operating Temperature=155°C, Min Operating Temperature=-55°C, Tolerance=0.1%, Voltage Rating=75V, Mounting Technology="Surface Mount"
R53A R101B: library part CMP-009-00237-1, "Res Thick Film 0603 100 Ohm 1% 0.1W(1/10W) ±100ppm/C Pad SMD Automotive T/R", Case/Package=0603, Max Operating Temperature=155°C, Min Operating Temperature=-55°C, Power Dissipation=100mW, Temperature Coefficient=100ppm/°C, Tolerance=1%, Voltage Rating=75V, China RoHS=Non-Compliant, Composition="Thick Film", Height=450µm, Length=1.6mm, Lifecycle Status=Production, Mounting Technology="Surface Mount", Number of Terminals=2, Packaging="Tape & Reel", Power Rating=100mW, REACH SVHC=Yes, RoHS=Compliant, Width=800µm, Working Voltage=75V
R58A R59A R102B R103B R104 R105 R106 R107 R108: library part CMP-009-00027-5, "Chip Resistor, 22 Ohm, +/- 1%, 100 mW, -55 to 155 degC, 0603 (1608 Metric)", Case/Package=0603, Max Operating Temperature=155°C, Min Operating Temperature=-55°C, Power=100mW, Tolerance=1%, Voltage Rating=75V, Mounting Technology=SM, Pins=2, RoHS Compliant=True
R60A R98B: library part CMP-009-00259-1, "Res Thick Film 0603 330 Ohm 5% 1/10W ±200ppm/°C Molded SMD Paper T/R", Case/Package=0603, Max Operating Temperature=155°C, Max Power Dissipation=100mW, Min Operating Temperature=-55°C, Ratings=AEC-Q200, Temperature Coefficient=100ppm/°C, Tolerance=5%, Voltage Rating=75V, China RoHS=Non-Compliant, Composition="Thick Film", Contact Plating=Tin, Features="Automotive AEC-Q200", Height=450µm, Length=1.55mm, Lifecycle Status=Production, Mounting Technology="Surface Mount", Number of Terminals=2, Number of Terminations=2, Packaging="Tape & Reel (TR)", Power Dissipation=100mW, Power Rating=100mW, Radiation Hardening=No, REACH SVHC=Yes, RoHS=Compliant, Width=800µm, Working Voltage=75V
R79: library part CMP-009-00208-1, "Fixed Resistor, Metal Glaze/Thick Film, 0.5W, 1000ohm, 200V, 1% +/-Tol, Surface Mount, 1210", Case/Package=1210, Max Operating Temperature=155°C, Min Operating Temperature=-55°C, Tolerance=1%, Voltage Rating=200V, Mounting Technology="Surface Mount"
R83B R84B R169A R170A: library part CMP-1678-00004-2, "RES 0.05 OHM 1% 1W 1632", 3DS Part Number=110-00009, Manufacturer=Ohmite, Manufacturer Part Number=MCS1632R050FER, Package=MCS1632, Power Rating=1W, Resistance=50mΩ, Temperature="-55°C to +150°C", Temperature Coefficient=40ppm/°C, Temperature Range High=+150°C, Temperature Range Low=-55°C, Tolerance=1%, Automotive=No, Category=Res, ComponentLink2Description=Datasheet, ComponentLink2URL=https://www.ohmite.com/assets/docs/res_mcs.pdf?r=false, Composition="Metal Element", Device Class L1="Passive Components", Device Class L2=Resistors, Device Class L3="Chip SMD Resistors", Digikey Description="RES 0.05 OHM 1% 1W 1632", Height=0.8mm, Ipc Land Pattern Name=RESC320160X60, Lead Free=Yes, Mouser Description="Current Sense Resistors - SMD 1W 0.05 ohm 1%", Octopart=https://octopart.com/mcs1632r050fer-ohmite-19081091, RoHS=TRUE, Series=MCS
R88B R89B R90B R91B R94A R95A R96A R97A R156A R156B R157A R157B R158A R158B R159A R159B: library part CMP-009-00248-1, "Res Thick Film 0603 33 Ohm 1% 0.1W(1/10W) ±200ppm/C Pad SMD Automotive AEC-Q200 T/R", Case/Package=0603, Max Operating Temperature=155°C, Min Operating Temperature=-55°C, Tolerance=1%, Voltage Rating=75V, Mounting Technology="Surface Mount"
R92: library part CMP-009-00283-1, "Res Thick Film 0603 48.7K Ohm 1% 0.1W(1/10W) ±100ppm/C Pad SMD T/R Automotive AEC-Q200", Case/Package=0603, Max Operating Temperature=155°C, Min Operating Temperature=-55°C, Tolerance=1%, Voltage Rating=75V, Mounting Technology="Surface Mount"
R109 R110: library part CMP-009-00299-1, "Res Thick Film 0603 47K Ohm 5% 0.1W(1/10W) ±100ppm/°C Pad SMD T/R Automotive AEC-Q200", Case/Package=0603, Max Operating Temperature=155°C, Min Operating Temperature=-55°C, Power Rating=100mW, Ratings=AEC-Q200, Temperature Coefficient=100ppm/°C, Tolerance=5%, Voltage Rating=75V, China RoHS=Non-Compliant, Composition="Thick Film", Country of Origin="Mainland China, Taiwan", Export Control Classification Number (ECCN) Code=EAR99, Harmonized Tariff Schedule (HTS) Code=8533.21.00.30, Height=450µm, Introduction Date=2012-04-10, Length=1.6mm, Lifecycle Status=Production, Mounting Technology="Surface Mount", Number of Terminals=2, Packaging="Tape & Reel", REACH SVHC=Yes, RoHS=Compliant, Width=800µm, Working Voltage=75V
R112 R138 R146: library part CMP-009-00303-1, "Res Thick Film 0603 1.5K Ohm 5% 0.1W(1/10W) ±100ppm/C Pad SMD Automotive AEC-Q200 T/R", Ambient Temperature Range High=70°C, Case/Package=0603, Manufacturer Lifecycle Status=ACTIVE, Max Operating Temperature=155°C, Min Operating Temperature=-55°C, Operating Supply Voltage=75V, Power Rating=100mW, Ratings=AEC-Q200, Temperature Coefficient=100ppm/°C, Tolerance=5%, China RoHS=Non-Compliant, Composition="Thick Film", Export Control Classification Number (ECCN) Code=EAR99, Harmonized Tariff Schedule (HTS) Code=8533.21.00.30, Height=450µm, Introduction Date=2018-03-13, Length=1.6mm, Lifecycle Status=Production, Mounting Technology="Surface Mount", Number of Terminals=2, Packaging="Cut Tape", REACH SVHC=Yes, RoHS=Compliant, Schedule B="8533210025, 8533210025", Voltage Rating=75V, Voltage Rating (DC)=75V, Width=800µm, Working Voltage=75V